# Altium PCB PCB_LU_V2.4PcbDoc.PcbDoc (part 2 of 3) (continued)
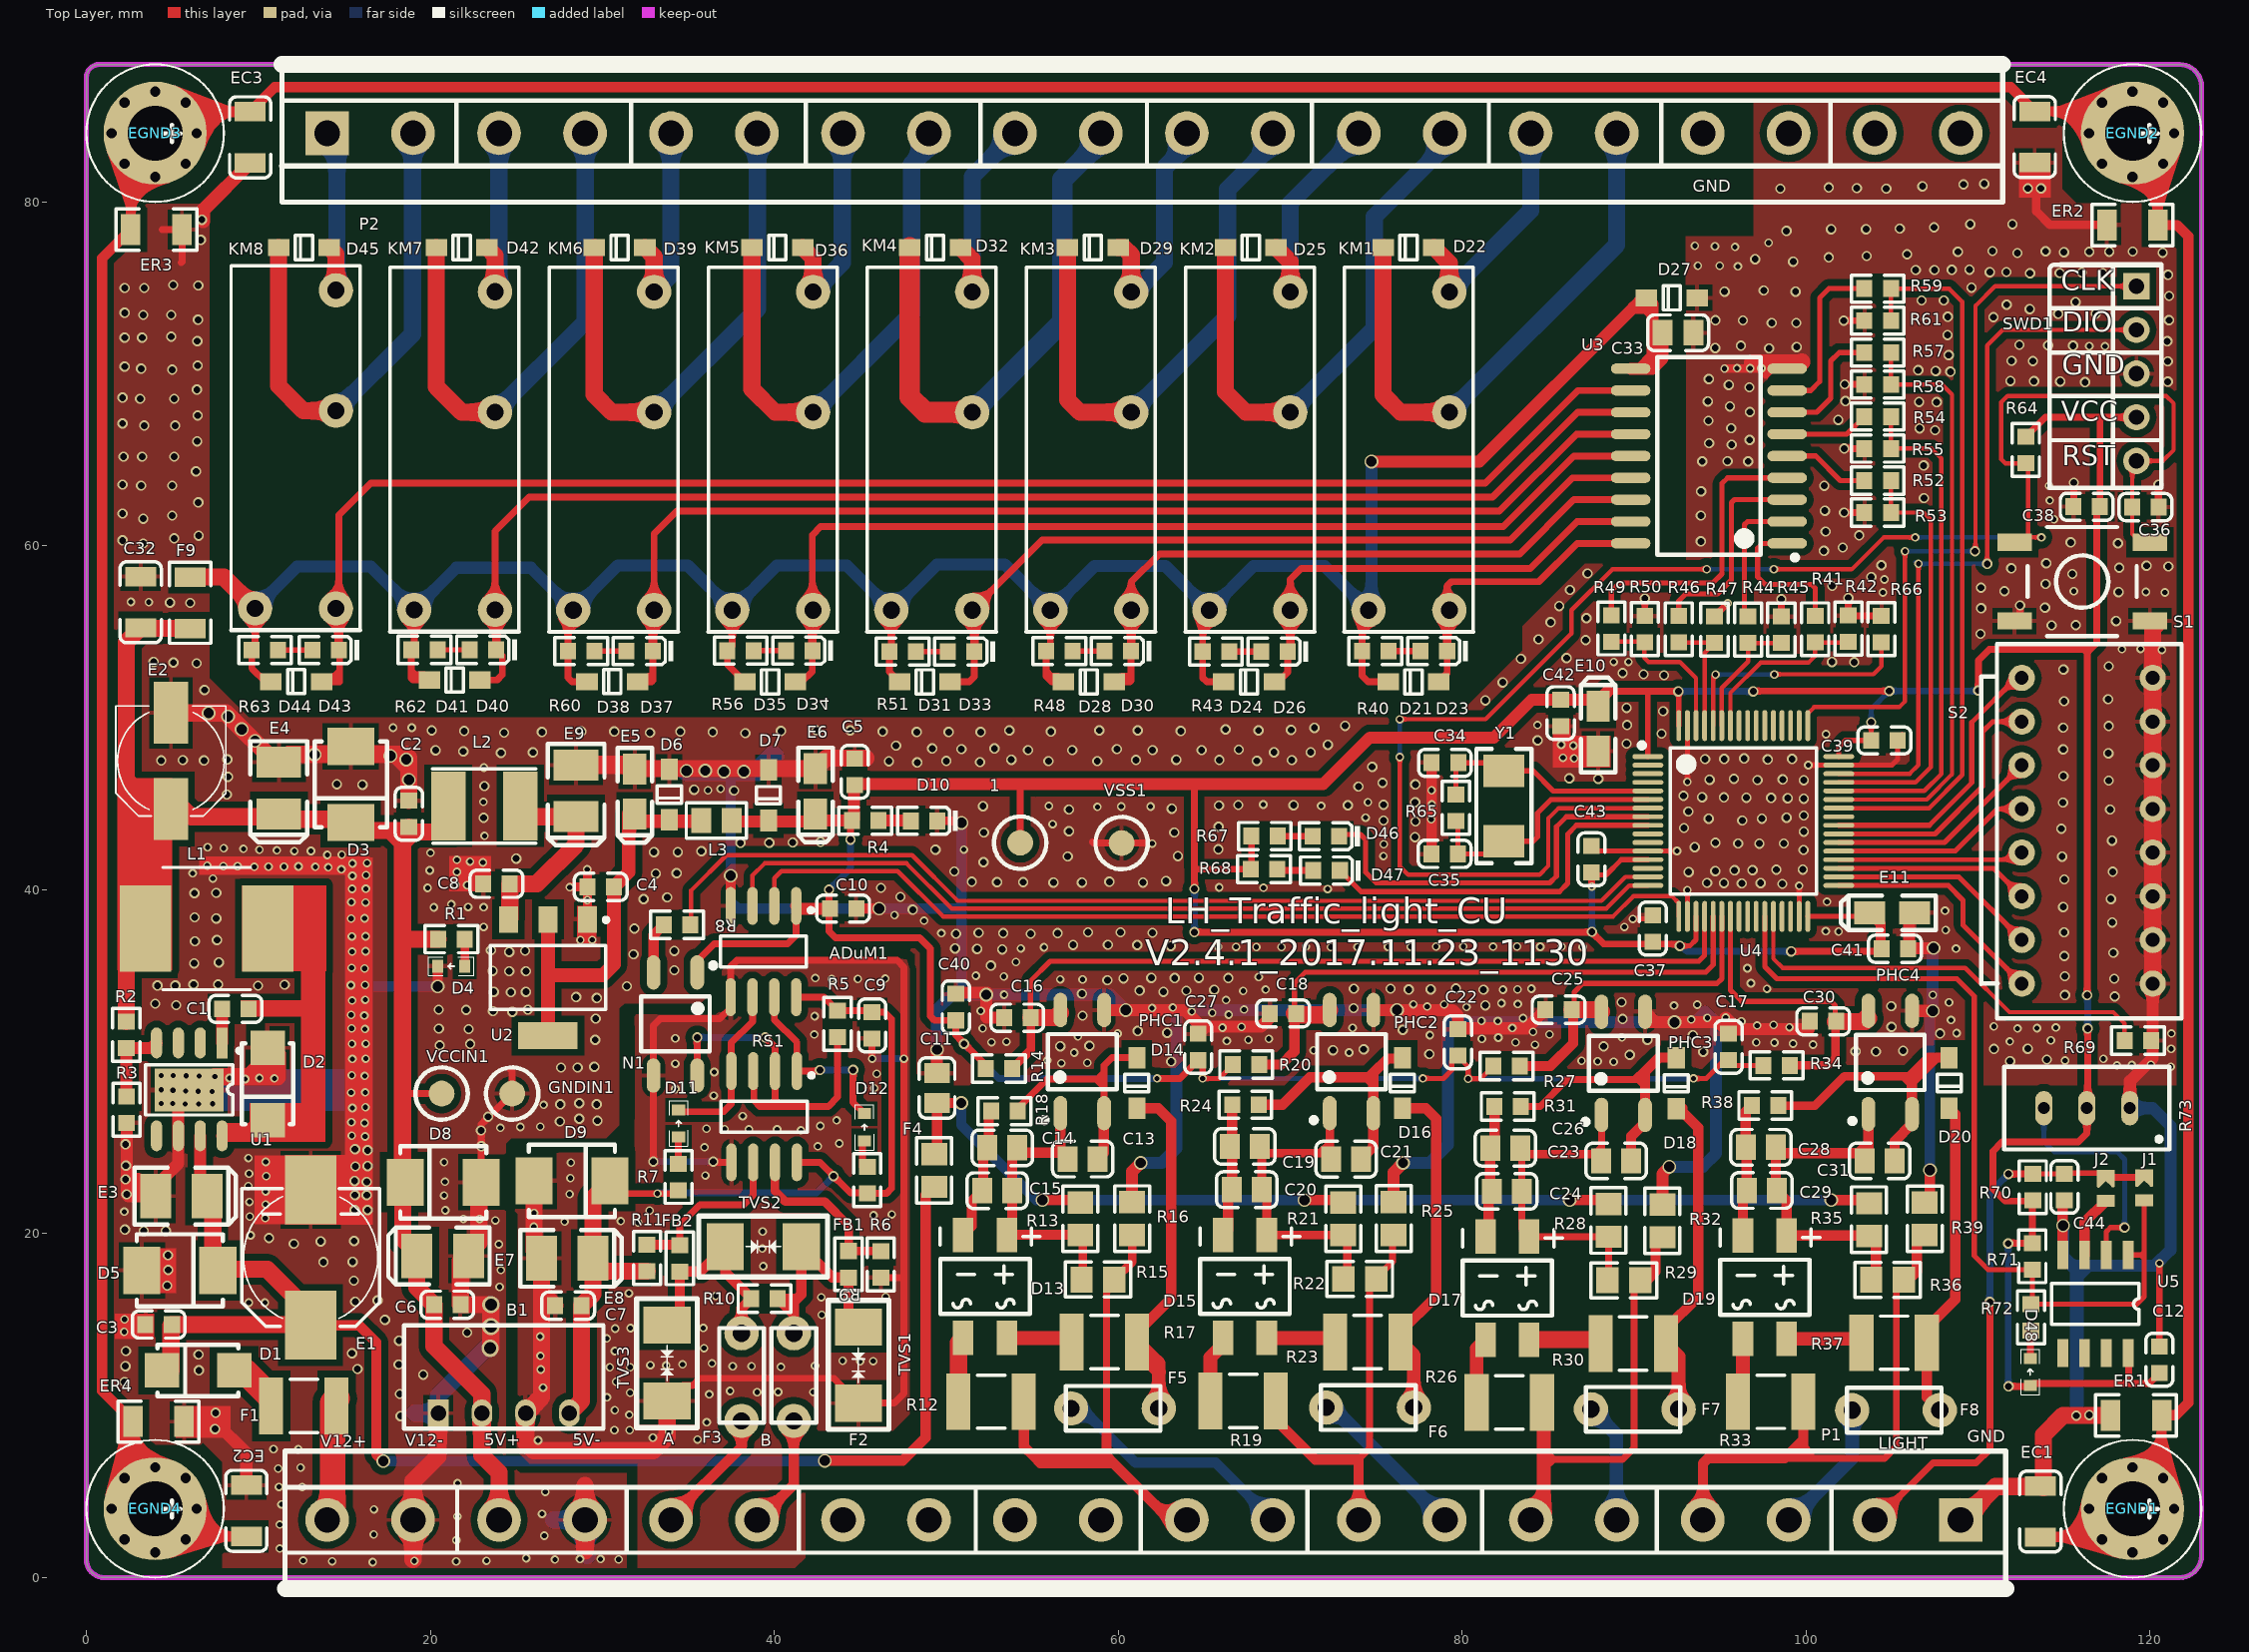
[diagram p0: Top Layer view]
## Nets (pads, with @x,y where several pads share a name; then routed paths per layer and width w, separated by ;. In a path a pad name is that pad's centre, name@x,y a point inside that pad or via, vN(x,y) a via of type N, cw(c..) or ccw(c..) an arc to the next point about the centre after c; other vN are vias at no path point) (continued)
KM1: R41.2 R42.1 U4.58 | length 10.4
  Top Layer w0.254: U4.58@95.61,49.548 95.61,51.452 97.364,53.206 100.144,53.206 100.54,53.602 R41.2@100.54,54.376 R42.1@102.436,54.376
KM1+: D22.2 KM1.2 P2.16 | length 33.1
  Top Layer w1: D22.2@75.415,77.348 75.415,68.779 76.426,67.768 KM1.2@79.264,67.768
  Bottom Layer w1: KM1.2@79.264,67.768 89,77.504 P2.16@89,84
KM1-: D22.1 KM1.3 P2.15 | length 14.1
  Top Layer w1: D22.1@78.365,77.348 79.264,76.449 KM1.3@79.264,74.768
  Bottom Layer w1: KM1.3@79.264,74.768 84,79.504 P2.15@84,84
KM2: R44.2 R45.1 U4.59 | length 7.4
  Top Layer w0.254: U4.59@95.11,49.548 95.11,51.74 96.638,53.268 R44.2@96.638,54.356 R45.1@98.57,54.356
KM2+: D25.2 KM2.2 P2.14 | length 32.4
  Top Layer w1: D25.2@66.238,77.348 66.238,68.96 67.43,67.768 KM2.2@70.014,67.768
  Bottom Layer w1: KM2.2@70.014,67.768 74.896,72.65 74.896,79.144 P2.14@79.376,83.624
KM2-: D25.1 KM2.3 P2.13 | length 13.9
  Top Layer w1: D25.1@69.188,77.348 70.014,76.522 KM2.3@70.014,74.768
  Bottom Layer w1: KM2.3@70.014,74.768 70.014,79.934 P2.13@74.142,84.062
KM3: R46.2 R47.1 U4.61 | length 7.1
  Top Layer w0.254: R46.2@92.606,54.376 94.666,54.376 R47.1@94.686,54.356 94.11,53.78 U4.61@94.11,49.548
KM3+: D29.2 KM3.2 P2.12 | length 32.8
  Top Layer w1: D29.2@57.061,77.348 57.061,68.489 57.782,67.768 KM3.2@60.764,67.768
  Bottom Layer w1: KM3.2@60.764,67.768 66.364,73.368 66.364,80.74 69.45,83.826 P2.12@69.45,84.062
KM3-: D29.1 KM3.3 P2.11 | length 13.9
  Top Layer w1: D29.1@60.011,77.348 60.336,77.348 60.764,76.92 KM3.3@60.764,74.768
  Bottom Layer w1: KM3.3@60.764,74.768 60.984,74.768 62.69,76.474 62.69,81.97 64.112,83.392 P2.11@64.112,84.062
KM4: R49.2 R50.1 U4.62 | length 9.1
  Top Layer w0.254: R49.2@88.686,54.43 90.6,54.43 90.6,53.496 90.85,53.246 92.672,53.246 93.61,52.308 U4.62@93.61,49.548
KM4+: D32.2 KM4.2 P2.10 | length 32.1
  Top Layer w1.2: D32.2@47.884,77.348 47.884,68.67 48.786,67.768 KM4.2@51.514,67.768
  Bottom Layer w1.2: KM4.2@51.514,67.768 56.766,73.02 56.766,81.296 58.996,83.526 P2.10@58.996,84.062
KM4-: D32.1 KM4.3 P2.9 | length 13.2
  Top Layer w1: D32.1@50.834,77.348 51.514,76.668 KM4.3@51.514,74.768
  Bottom Layer w1: KM4.3@51.514,74.768 51.514,81.468 P2.9@54.108,84.062
KM5: R52.2 R53.1 U4.45 | length 24.5
  Top Layer w0.254: U4.45@101.91,46.248 106.376,46.248 107.264,47.136 107.264,61.524 106.85,61.938 R53.1@104.944,61.938 R52.2@104.944,63.798
KM5+: D36.2 KM5.2 P2.8 | length 31.4
  Top Layer w1: D36.2@38.706,77.348 38.706,69.12 40.058,67.768 KM5.2@42.264,67.768
  Bottom Layer w1: KM5.2@42.264,67.768 47.998,73.502 47.998,82.21 48.882,83.094 P2.8@48.882,84.062
KM5-: D36.1 KM5.3 P2.7 | length 12.9
  Top Layer w1: D36.1@41.656,77.348 42.264,76.74 KM5.3@42.264,74.768
  Bottom Layer w1: KM5.3@42.264,74.768 43.96,76.464 43.96,83.888 P2.7@44.134,84.062
KM6: R54.2 R55.1 U4.44 | length 29.8
  Top Layer w0.254: U4.44@101.91,45.748 106.888,45.748 107.882,46.742 107.882,65.082 107.305,65.659 R55.1@104.944,65.659 R54.2@104.944,67.519
KM6+: D39.2 KM6.2 P2.6 | length 31.3
  Top Layer w1: D39.2@29.529,77.348 29.529,68.795 30.556,67.768 KM6.2@33.014,67.768
  Bottom Layer w1: KM6.2@33.014,67.768 39.02,73.774 39.02,83.814 P2.6@38.798,84.036
KM6-: D39.1 KM6.3 P2.5 | length 11.7
  Top Layer w1: D39.1@32.479,77.348 33.014,76.813 KM6.3@33.014,74.768
  Bottom Layer w1: KM6.3@33.014,74.768 33.992,75.746 P2.5@33.992,83.24
KM7: R57.2 R58.1 U4.43 | length 34.9
  Top Layer w0.254: U4.43@101.91,45.248 107.03,45.248 108.502,46.72 108.502,68.8 107.923,69.379 R58.1@104.944,69.379 R57.2@104.944,71.239
KM7+: D42.2 KM7.2 P2.4 | length 30.5
  Top Layer w1: D42.2@20.352,77.348 20.352,69.244 21.82,67.776 KM7.2@23.764,67.776
  Bottom Layer w1: KM7.2@23.764,67.776 29.008,73.02 P2.4@29.008,84
KM7-: D42.1 KM7.3 P2.3 | length 11
  Top Layer w1: D42.1@23.302,77.348 23.764,76.886 KM7.3@23.764,74.776
  Bottom Layer w1: KM7.3@23.992,74.616 P2.3@23.992,82.852
KM8: R59.2 R61.1 U4.42 | length 41.8
  Top Layer w0.254: U4.42@101.91,44.748 107.172,44.748 109.1,46.676 109.1,74.19 108.33,74.96 R59.2@104.944,74.96 R61.1@104.944,73.1
KM8+: D45.2 KM8.2 P2.2 | length 30
  Top Layer w1: D45.2@11.175,77.348 11.175,69.305 12.618,67.862 KM8.2@14.514,67.862
  Bottom Layer w1: KM8.2@14.514,67.862 18.968,72.316 P2.2@18.968,84
KM8-: D45.1 KM8.3 P2.1 | length 12.1
  Top Layer w1: D45.1@14.125,77.348 14.514,76.959 KM8.3@14.514,74.862
  Bottom Layer w1: P2.1@14,84 14.564,83.436 14.564,75.042 KM8.3@14.744,74.862
LD1: D46.K U4.8 | length 23.7
  Top Layer w0.3: D46.K@72.678,43.218 74.108,43.218 74.396,42.93 74.396,41.018 75.021,40.393 85.097,40.393 85.496,40.792 85.496,43.666 86.078,44.248 U4.8@90.81,44.248
LD2: D47.K U4.9 | length 21.7
  Top Layer w0.3: D47.K@72.898,41.118 74.123,39.893 85.667,39.893 86.144,40.37 86.144,43.234 86.658,43.748 U4.9@90.81,43.748
LIGHT_TEST: J1.2 R71.2 R72.2 U4.27 U5.1 | length 50.3
  Top Layer w0.3: U4.27@97.61,38.448 97.61,35.518 98.31,34.818 108.776,34.818 109.786,33.808 109.786,18.722 110.596,17.912 R71.2@113.166,17.912 113.166,15.944 113.202,15.908 119.25,15.908 119.676,16.334 119.676,18.556 ; U5.1@118.744,18.756 119.502,18.756 ; J1.2@119.801,21.817 J1.2@119.676,21.942 119.676,18.93 ; 119.502,18.756 119.676,18.93 ; 119.502,18.756 119.502,18.73 119.676,18.556 ; 119.676,18.556 119.676,18.93
LIGHTT: C44.2 J1.1 J2.1 P1.2 R70.2 | length 33
  Top Layer w0.3: R70.2@113.161,23.502 R70.2@113.196,23.467 115.286,23.467 115.336,23.517 117.031,23.517 J2.1@117.266,23.282
  Top Layer w0.4: P1.2@104.042,3.308 107.4,6.666 109.898,6.666 110.696,7.464 v1(110.696,16.022) ; v1(111.777,23.467) R70.2@113.196,23.467 ; J2.1@117.266,23.282 119.526,23.282 J1.1@119.676,23.432
  Bottom Layer w0.4: v1(110.696,16.022) 110.696,22.386 v1(111.777,23.467)
NetADuM1_6: ADuM1.6 D11.K RS1.4 | length 10.1
  Top Layer w0.4: D11.K@34.441,27.189 34.538,27.092 37.054,27.092 37.509,27.547 RS1.4@37.509,29.456 ; RS1.4@37.426,29.373 RS1.4@37.509,29.456 ; ADuM1.6@38.739,33.752 38.739,32.335 37.509,31.105 RS1.4@37.509,29.456
NetADuM1_7: ADuM1.7 D12.K RS1.1 | length 11
  Top Layer w0.4: ADuM1.7@40.009,33.752 40.009,32.437 41.319,31.127 RS1.1@41.319,29.456 42.598,29.456 v1(42.656,29.514) ; v1(44.59,29.524) 44.59,27.64 D12.K@45.253,26.977
  Bottom Layer w0.4: v1(42.656,29.514) v1@44.59,29.514
NetC1_1: C1.1 D2.2 L1.1 U1.8 | length 4.5
  Top Layer w0.7: U1.8@7.89,25.691 9.787,25.691 D2.2@10.73,26.634 ; 9.528,26.064 10.072,26.608 D2.2@10.536,26.608
NetC1_2: C1.2 U1.1 | length 2
  Top Layer w0.7: U1.1@7.89,31.091 C1.2@7.89,33.07
NetC4_2: C4.2 D6.2 E5.1 L3.1 U2.2 U2.4 | length 27.8
  Top Layer w0.8: U2.2@26.842,38.269 U2.4@26.842,31.519 26.842,35.036 30.046,35.036 30.68,35.67 C4.2@30.68,40.168 31.536,41.024 31.536,43.406 ; E5.1@31.536,43.978 L3.1@35.767,43.978 ; E5.1@31.536,44.418 31.536,43.406 ; 31.588,43.458 31.536,43.406
NetC14_1: C14.1 C15.1 D13.4 R18.2 | length 7.9
  Top Layer w0.6: D13.4@50.992,19.932 51.492,20.432 51.492,21.897 C15.1@52.095,22.5 52.163,22.568 52.163,25.046 52.48,25.363 52.48,26.852 R18.2@52.75,27.122
NetC19_1: C19.1 C20.1 D15.4 R24.2 | length 7.8
  Top Layer w0.6: D15.4@66.108,19.932 66.4,20.224 66.4,22.357 C20.1@66.602,22.559 66.629,22.586 R24.2@66.629,27.499
NetC23_1: C23.1 C24.1 D17.4 R31.2 | length 7.9
  Top Layer w0.6: D17.4@81.367,19.832 81.554,20.019 81.554,22.289 C24.1@81.724,22.459 81.644,22.539 C23.1@81.644,24.974 81.892,25.222 R31.2@81.892,27.399
NetC28_1: C28.1 C29.1 D19.4 R38.2 | length 7.8
  Top Layer w0.6: D19.4@96.341,19.882 96.341,22.289 C29.1@96.561,22.509 96.561,24.969 C28.1@96.506,25.024 96.506,27.084 R38.2@96.871,27.449
NetC34_2: C34.2 R65.2 U4.5 Y1.2 | length 13.6
  Top Layer w0.3: R65.2@79.648,45.539 79.648,47.254 C34.2@79.778,47.384 81.97,47.384 Y1.2@82.436,46.918 84.142,46.918 85.312,45.748 U4.5@90.81,45.748
NetC35_2: C35.2 R65.1 U4.6 Y1.1 | length 15.1
  Top Layer w0.3: R65.1@79.648,43.999 79.758,43.889 C35.2@79.758,42.089 81.707,42.089 Y1.1@82.436,42.818 84.148,42.818 84.394,43.064 84.394,44.47 85.172,45.248 U4.6@90.81,45.248
NetD1_1: D1.1 F1.2 | length 2.2
  Top Layer w1.5: D1.1@9.112,12.016 9.178,12.016 F1.2@10.655,10.539
NetD4_A: D4.A R1.2 | length 1.6
  Top Layer w0.5: R1.2@22.006,37.124 22.007,37.123 D4.A@22.007,35.551
NetD10_A: D10.A R4.2 | length 1.9
  Top Layer w0.7: R4.2@46.062,44.018 D10.A@47.93,44.018
NetD11_A: D11.A R7.2 | length 1.6
  Top Layer w0.4: R7.2@34.432,24.068 34.432,25.606 D11.A@34.441,25.615
NetD12_A: D12.A R6.1 | length 1.5
  Top Layer w0.4: R6.1@45.126,23.884 D12.A@45.126,25.423
NetD13_1: D13.1 R12.2 | length 3.8
  Top Layer w1: R12.2@50.716,10.226 50.716,13.656 D13.1@50.992,13.932
NetD13_3: D13.3 R17.2 | length 3.9
  Top Layer w0.8: D13.3@53.532,13.932 57.078,13.932 R17.2@57.306,13.704
NetD15_1: D15.1 R19.2 | length 4
  Top Layer w0.8: R19.2@65.372,10.274 65.372,12.81 66.108,13.546 D15.1@66.108,13.932
NetD15_3: D15.3 R23.2 | length 3.7
  Top Layer w0.8: D15.3@68.648,13.932 R23.2@72.386,13.932
NetD17_1: D17.1 R26.2 | length 3.9
  Top Layer w0.8: R26.2@80.853,10.174 80.853,13.319 D17.1@81.367,13.832
NetD17_3: D17.3 R30.2 | length 4.3
  Top Layer w1: D17.3@83.907,13.832 87.837,13.832 R30.2@88.065,13.604
NetD19_1: D19.1 R33.2 | length 3.8
  Top Layer w0.8: R33.2@96.051,10.224 96.341,10.514 D19.1@96.341,13.882
NetD19_3: D19.3 R37.2 | length 4.4
  Top Layer w0.8: D19.3@98.881,13.882 103.003,13.882 R37.2@103.231,13.654
NetD21_1: D21.1 D23.K KM1.4 U3.18 | length 17.7
  Top Layer w0.4: D21.1@78.653,52.094 79.138,52.579 D23.K@79.138,53.882 ; KM1.4@79.138,56.142 79.138,57.678 79.376,57.916 84.468,57.916 86.698,60.146 U3.18@89.812,60.146
  Top Layer w0.5: D23.K@79.138,53.882 79.138,56.142 KM1.4@79.264,56.268
NetD23_A: D23.A R40.2 | length 1.9
  Top Layer w0.4: R40.2@75.738,53.882 D23.A@77.598,53.882
NetD24_1: D24.1 D26.K KM2.4 U3.17 | length 27.7
  Top Layer w0.4: D24.1@69.089,52.094 69.304,52.094 69.856,52.646 D26.K@69.856,53.854 ; KM2.4@70.014,56.268 70.014,58.056 70.652,58.694 83.964,58.694 86.686,61.416 U3.17@89.812,61.416
  Top Layer w0.5: D26.K@69.856,53.854 70.014,54.012 KM2.4@70.014,56.268
NetD26_A: D26.A R43.2 | length 1.9
  Top Layer w0.4: R43.2@66.456,53.854 D26.A@68.316,53.854
NetD28_1: D28.1 D30.K KM3.4 U3.16 | length 38.8
  Top Layer w0.4: D28.1@59.775,52.094 D28.1@59.88,52.094 ; D30.K@60.746,53.88 60.746,52.378 ; KM3.4@60.764,56.268 60.764,57.894 62.406,59.536 83.36,59.536 86.51,62.686 U3.16@89.812,62.686 ; D28.1@59.88,52.094 60.208,52.422 60.702,52.422 60.746,52.378 ; D28.1@59.88,52.094 60.684,52.094 60.746,52.156 60.746,52.378
  Top Layer w0.5: D30.K@60.746,53.88 60.764,53.898 KM3.4@60.764,56.268
NetD30_A: D30.A R48.2 | length 1.9
  Top Layer w0.3: R48.2@57.346,53.88 D30.A@59.206,53.88
NetD31_1: D31.1 D33.K KM4.4 U3.15 | length 46.9
  Top Layer w0.4: D31.1@50.237,52.094 51.344,52.094 51.646,52.396 D33.K@51.646,53.854 ; KM4.4@51.514,56.268 55.586,60.34 82.82,60.34 86.436,63.956 U3.15@89.812,63.956
  Top Layer w0.5: KM4.4@51.514,56.268 51.646,56.136 D33.K@51.646,53.854
NetD33_A: D33.A R51.2 | length 1.9
  Top Layer w0.3: R51.2@48.246,53.854 D33.A@50.106,53.854
NetD34_A: D34.A R56.2 | length 1.9
  Top Layer w0.3: R56.2@38.82,53.906 D34.A@40.68,53.906
NetD34_K: D34.K D35.1 KM5.4 U3.14 | length 58.7
  Top Layer w0.4: D35.1@41.237,52.094 41.606,52.094 42.22,52.708 D34.K@42.22,53.906 ; KM5.4@42.22,56.224 42.22,60.644 42.702,61.126 82.41,61.126 86.51,65.226 U3.14@89.812,65.226
  Top Layer w0.5: D34.K@42.22,53.906 42.22,56.224 KM5.4@42.264,56.268
NetD37_A: D37.A R60.2 | length 1.9
  Top Layer w0.3: R60.2@29.54,53.88 D37.A@31.4,53.88
NetD37_K: D37.K D38.1 KM6.4 U3.13 | length 69.1
  Top Layer w0.4: D38.1@32.061,52.104 D38.1@32.402,52.104 ; 32.706,52.408 D38.1@32.402,52.104 ; D37.K@32.94,53.88 32.94,52.172 32.872,52.104 D38.1@32.402,52.104 ; KM6.4@32.94,56.194 KM6.4@33.014,56.268 33.014,60.7 34.334,62.02 82.182,62.02 86.658,66.496 U3.13@89.812,66.496
  Top Layer w0.5: D37.K@32.94,53.88 KM6.4@32.94,56.194
NetD40_A: D40.A R62.2 | length 1.9
  Top Layer w0.3: R62.2@20.442,53.956 D40.A@22.302,53.956
NetD40_K: D40.K D41.1 KM7.4 U3.12 | length 78.9
  Top Layer w0.4: D41.1@22.891,52.198 23.894,52.198 24.19,52.494 24.19,53.608 D40.K@23.842,53.956 ; KM7.4@23.764,56.276 23.764,60.85 25.742,62.828 81.78,62.828 86.718,67.766 U3.12@89.812,67.766
  Top Layer w0.5: KM7.4@23.764,56.276 23.842,56.198 D40.K@23.842,53.956
NetD43_A: D43.A R63.2 | length 2
  Top Layer w0.3: R63.2@11.158,53.938 D43.A@13.138,53.938
NetD43_K: D43.K D44.1 KM8.4 U3.11 | length 89.9
  Top Layer w0.4: D44.1@13.683,52.104 14.456,52.104 ; 14.466,52.464 14.434,52.432 14.434,52.428 ; D43.K@14.678,53.938 14.73,53.886 14.73,52.724 ; KM8.4@14.678,56.198 14.678,61.78 16.544,63.646 81.366,63.646 86.756,69.036 U3.11@89.812,69.036 ; 14.73,52.728 14.73,52.724 ; 14.434,52.428 14.456,52.406 14.456,52.104 ; 14.434,52.428 14.73,52.724 ; 14.456,52.104 14.73,52.104 14.73,52.724
  Top Layer w0.5: KM8.4@14.514,56.362 14.678,56.198 D43.K@14.678,53.938
NetD46_A: D46.A R67.2 | length 2
  Top Layer w0.4: R67.2@69.308,43.112 D46.A@71.318,43.112
NetD47_A: D47.A R68.2 | length 2
  Top Layer w0.4: R68.2@69.33,41.118 D47.A@71.358,41.118
NetD48_K: D48.K R72.1 | length 1.6
  Top Layer w0.4: D48.K@113.047,12.739 R72.1@113.047,14.317
NetF2_1: F2.1 FB1.1 R10.2 TVS1.1 TVS2.2 | length 14.3
  Top Layer w0.6: F2.1@41.14,14.207 41.14,15.292 ; TVS1.1@44.895,14.562 44.325,15.132 FB1.1@44.325,17.452 43.37,17.452 TVS2.2@41.58,19.242 41.58,16.456 41.346,16.222 ; 41.14,15.292 41.14,16.016 41.346,16.222 ; 41.14,15.292 R10.2@40.21,16.222 41.346,16.222
NetF3_1: F3.1 FB2.1 R10.1 TVS2.1 TVS3.2 | length 12.6
  Top Layer w0.6: TVS3.2@33.775,14.687 34.515,15.427 FB2.1@34.515,17.797 35.715,17.797 TVS2.1@37.16,19.242 37.16,17.732 R10.1@38.67,16.222 38.1,15.652 F3.1@38.1,14.207
NetFB1_2: FB1.2 R9.2 RS1.7 | length 10.1
  Top Layer w0.5: RS1.7@40.049,24.148 40.049,22.471 40.654,21.866 42.942,21.866 44.325,20.483 FB1.2@44.325,18.992 R9.2@46.18,18.992
NetFB2_2: FB2.2 R11.1 RS1.6 | length 10
  Top Layer w0.4: FB2.2@34.515,19.337 34.515,20.513 35.684,21.682 38.22,21.682 38.779,22.241 RS1.6@38.779,24.148
  Top Layer w0.6: R11.1@32.605,19.357 34.495,19.357 FB2.2@34.515,19.337
NetJ2_2: J2.2 U5.3 | length 3.7
  Top Layer w0.6: U5.3@116.204,18.756 116.204,20.665 J2.2@117.444,21.905
NetN1_2: N1.2 R8.2 | length 2.7
  Top Layer w0.6: N1.2@32.982,35.196 32.982,37.366 R8.2@33.345,37.729
NetN1_4: N1.4 R5.2 RS1.2 RS1.3 | length 21.9
  Top Layer w0.4: N1.4@35.522,29.196 v1(35.522,31.408) ; RS1.3@38.808,29.427 38.824,29.411 38.824,27.736 39.154,27.406 39.768,27.406 ; v1(39.478,31.408) 40.049,30.837 RS1.2@40.049,29.456 40.049,27.779 ; R5.2@43.682,31.426 43.682,27.94 43.148,27.406 40.422,27.406 ; 39.768,27.406 40.422,27.406 ; 39.768,27.406 39.768,27.498 40.049,27.779 ; 39.768,27.406 40.049,27.687 40.049,27.779 ; 40.049,27.779 40.422,27.406
  Bottom Layer w0.4: v1(35.522,31.408) v1(39.478,31.408)
NetR2_1: R2.1 R3.1 U1.4 | length 4.7
  Top Layer w0.7: R3.1@2.338,27.984 2.316,28.006 R2.1@2.316,30.79 3.779,30.79 U1.4@4.08,31.091
NetR41_1: R41.1 U3.1 | length 9.6
  Top Layer w0.3: U3.1@99.744,60.146 U3.1@98.912,60.146 97.476,60.146 97.194,59.864 97.194,58.194 97.634,57.754 100.33,57.754 100.54,57.544 R41.1@100.54,55.916
NetR44_1: R44.1 U3.2 | length 8
  Top Layer w0.3: R44.1@96.638,55.896 96.43,56.104 96.43,61.232 96.614,61.416 U3.2@98.912,61.416
NetR46_1: R46.1 U3.3 | length 12.3
  Top Layer w0.3: R46.1@92.606,55.916 92.606,56.8 93.018,57.212 94.864,57.212 95.668,58.016 95.668,62.516 95.838,62.686 U3.3@98.912,62.686
NetR49_1: R49.1 U3.4 | length 17.4
  Top Layer w0.3: R49.1@88.686,55.97 88.686,57.364 89.158,57.836 94.586,57.836 95.124,58.374 95.124,63.63 95.45,63.956 U3.4@98.912,63.956
NetR52_1: R52.1 U3.5 | length 5.1
  Top Layer w0.3: U3.5@98.912,65.226 100.568,65.226 101.996,63.798 R52.1@103.404,63.798
NetR54_1: R54.1 U3.6 | length 4.9
  Top Layer w0.3: U3.6@98.912,66.496 102.381,66.496 R54.1@103.404,67.519
NetR57_1: R57.1 U3.7 | length 7.2
  Top Layer w0.3: U3.7@98.912,67.766 100.638,67.766 101.452,68.58 101.452,70.756 101.935,71.239 R57.1@103.404,71.239
NetR59_1: R59.1 U3.8 | length 9.8
  Top Layer w0.3: U3.8@98.912,69.036 100.276,69.036 100.798,69.558 100.798,74.424 101.334,74.96 R59.1@103.404,74.96
NetR73_3: R73.3 U5.2 | length 13.5
  Top Layer w0.3: U5.2@117.474,18.756 117.474,20.112 117.716,20.354 v1(118.536,20.354)
  Bottom Layer w0.3: R73.3@113.838,27.296 113.838,25.368 114.462,24.744 118.118,24.744 118.536,24.326 v1(118.536,20.354)
NRST: C36.2 R64.1 S1.2 S1.3 SWD1.5 U4.7 | length 102.2
  Top Layer w0.254: v2(76.384,47.712) 76.384,41.356 76.87,40.87 84.502,40.87 85.019,41.387 85.019,44.147 85.62,44.748 U4.7@90.81,44.748 ; v2(76.384,49.916) 81.38,49.916 86.372,54.908 86.372,56.258 88.756,58.642 v2(94.23,58.642) ; v2(98.138,58.642) 102.642,58.642 102.66,58.624 104.528,60.492 v2(106.356,60.492) ; R64.1@112.79,64.8 111.604,64.8 111.362,65.042 111.362,68.35 111.728,68.716 120.954,68.716 121.384,68.286 121.384,65.57 120.754,64.94 SWD1.5@119.221,64.94 118.976,64.695 C36.2@118.976,62.256 118.976,60.688 119.456,60.208 S1.2@120.005,60.208 ; S1.3@112.93,60.01 S1.3@112.93,60.208 ; R64.1@112.93,64.94 S1.3@112.93,60.492 ; v2(113.692,60.492) S1.3@112.93,60.492 ; S1.3@112.93,60.208 S1.3@112.93,60.492 ; S1.3@112.93,60.208 S1.3@112.131,60.208 112.415,60.492 S1.3@112.93,60.492
  Bottom Layer w0.254: v2(76.384,47.712) v2(76.384,49.916) ; v2(94.23,58.642) v2(98.138,58.642) ; v2(106.356,60.492) v2(113.692,60.492)
PA1_RS485_2_RD: R8.1 U4.15 | length 60.2
  Top Layer w0.254: R8.1@35.172,37.958 35.172,39.96 37.222,42.01 48.018,42.01 50.672,39.356 88.108,39.356 89.5,40.748 U4.15@90.81,40.748
PA2_USART2_TX: ADuM1.3 U4.16 | length 55.8
  Top Layer w0.254: ADuM1.3@38.739,39.06 38.739,40.831 39.443,41.535 47.695,41.535 50.328,38.902 88.39,38.902 89.736,40.248 U4.16@90.81,40.248
PA3_USART2_RX: ADuM1.2 U4.17 | length 56.9
  Top Layer w0.254: ADuM1.2@40.009,39.06 40.009,40.679 40.411,41.081 47.185,41.081 49.818,38.448 88.79,38.448 89.962,39.62 92.208,39.62 92.61,39.218 U4.17@92.61,38.448
PB10_USART3_TX: U4.29
PB11_USART3_RX: U4.30
PC1_1: C13.1 C14.2 C15.2 D13.2 PHC1.1 R13.1 R15.1 | length 17.5
  Top Layer w0.5: R15.1@57.954,17.39 R13.1@57.954,19.77
  Top Layer w0.6: 56.648,25.092 PHC1.1@56.648,27.004 ; C13.1@57.069,24.336 56.697,24.708 54.251,24.708 53.913,25.046 53.845,24.978 C15.2@53.845,22.5 53.845,20.245 D13.2@53.532,19.932 57.792,19.932 R13.1@57.808,19.916 R13.1@57.954,19.77
PC1_2: C13.2 D14.1 PHC1.2 R18.1 | length 14.5
  Top Layer w0.4: R18.1@54.29,27.122 54.29,27.406 55.866,28.982 58.726,28.982 ; PHC1.2@59.188,27.004 59.188,28.52 ; D14.1@61.216,30.237 59.637,30.237 59.188,29.788 59.188,29.362 ; 58.726,28.982 59.188,28.52 ; 58.726,28.982 58.808,28.982 59.188,29.362 ; 59.188,28.52 59.188,29.362
  Top Layer w0.6: C13.2@58.819,24.336 59.178,24.695 PHC1.2@59.178,27.014
PC2_1: C19.2 C20.2 C21.1 D15.2 PHC2.1 R21.2 R22.1 | length 19.5
  Top Layer w0.5: PHC2.1@72.309,27.004 72.309,25.218 ; C21.1@72.385,24.33 72.309,24.406 72.309,25.218 ; R22.1@73.33,17.39 73.33,19.682 R21.2@73.096,19.916 68.664,19.916 D15.2@68.648,19.932 68.648,22.263 C20.2@68.352,22.559 68.352,24.969 C19.2@68.247,25.074 68.645,24.676 71.767,24.676 72.309,25.218
PC2_2: C21.2 D16.1 PHC2.2 R24.1 | length 15.4
  Top Layer w0.6: R24.1@68.169,27.499 69.561,27.499 71.157,29.095 74.483,29.095 ; C21.2@74.135,24.33 74.849,25.044 PHC2.2@74.849,27.004 74.849,28.729 ; D16.1@76.602,30.182 75.68,30.182 74.849,29.351 ; 74.483,29.095 74.849,28.729 ; 74.483,29.095 74.593,29.095 74.849,29.351 ; 74.849,28.729 74.849,29.351
PC3_1: C23.2 C24.2 C26.1 D17.2 PHC3.1 R28.2 R29.1 | length 20.3
  Top Layer w0.4: C23.2@83.394,24.974 83.474,24.894 C24.2@83.474,22.459 83.474,20.265 D17.2@83.907,19.832 83.923,19.816 R28.2@88.525,19.816 88.525,17.612 R29.1@88.847,17.29 ; C26.1@87.7,24.632 88.112,25.044 ; C26.1@88.112,24.251 88.112,25.044 ; PHC3.1@88.112,26.904 88.112,25.044
  Top Layer w0.5: C23.2@83.394,24.974 83.736,24.632 C26.1@87.7,24.632
PC3_2: C26.2 D18.1 PHC3.2 R31.1 | length 16.5
  Top Layer w0.41: R31.1@83.432,27.399 84.543,27.399 86.118,28.974 90.052,28.974 ; 90.652,28.566 90.244,28.974 90.052,28.974 ; 90.652,29.574 90.052,28.974
  Top Layer w0.6: C26.2@89.839,24.228 89.839,25.673 90.652,26.486 PHC3.2@90.652,26.904 90.652,28.566 90.652,29.45 91.439,30.237 D18.1@92.376,30.237
PC4_1: C28.2 C29.2 C31.1 D19.2 PHC4.1 R35.2 R36.1 | length 21.5
  Top Layer w0.6: C31.1@103.413,24.228 103.631,24.446 103.631,25.262 ; PHC4.1@103.631,26.954 103.631,25.262 ; R36.1@104.081,17.34 104.081,19.456 R35.2@103.671,19.866 103.655,19.882 D19.2@98.881,19.882 98.881,21.939 C29.2@98.311,22.509 98.256,22.564 C28.2@98.256,25.024 98.604,24.676 103.045,24.676 103.631,25.262
PC4_2: C31.2 D20.1 PHC4.2 R38.1 | length 18.8
  Top Layer w0.5: R38.1@98.411,27.449 100.537,27.449 102.25,29.162 105.654,29.162 ; 106.064,29.162 105.654,29.162 ; 106.171,28.645 105.654,29.162
  Top Layer w0.6: C31.2@105.163,24.228 105.163,25.381 106.171,26.389 PHC4.2@106.171,26.954 106.171,28.645 106.171,28.839 107.569,30.237 ; 106.064,29.162 107.139,30.237 107.569,30.237 ; D20.1@108.332,30.237 107.569,30.237
PUTIN_12V: C3.2 D1.2 D5.2 E1.1 E3.1 F4.1 U1.7 | length 84.7
  Top Layer w0.6: E1.1@13.044,14.675 15.859,14.675 16.86,13.674 16.86,7.174 v3(17.268,6.766) ; v3(42.942,6.794) 47.464,6.794 48.81,8.14 48.81,22.258 F4.1@49.39,22.838
  Top Layer w0.7: C3.2@4.912,14.652 C3.2@4.976,14.716 ; U1.7@6.62,25.691 6.62,22.59 E3.1@7.028,22.182
  Top Layer w1: D1.2@4.912,12.016 C3.2@4.912,14.652 ; C3.2@4.976,14.716 E1.1@13.044,14.716 ; E3.1@7.028,22.182 7.36,21.85 7.36,17.926 10.518,17.926 13.044,15.4 E1.1@13.044,14.716 ; E1.1@13.044,14.675 E1.1@13.044,14.716
  Bottom Layer w0.6: v3(17.268,6.766) 42.914,6.766 v3(42.942,6.794)
RS458_A: F3.2 P1.16 | length 7.4
  Top Layer w0.6: P1.16@33.927,3.423 38.1,7.597 F3.2@38.1,9.107
RS485_B: F2.2 P1.15 | length 6.7
  Top Layer w0.6: P1.15@39.042,3.308 41.14,5.406 F2.2@41.14,9.107
STM_SWC: SWD1.1 U4.49 | length 43.5
  Top Layer w0.254: U4.49@100.11,49.548 100.11,50.252 100.48,50.622 105.426,50.622 105.764,50.96 v2(105.764,59.688) ; v1@109.862,59.72 109.862,73.96 111.002,75.1 SWD1.1@119.221,75.1
  Bottom Layer w0.254: v2(105.764,59.688) v1(109.834,59.688)
STM_SWD: SWD1.2 U4.46 | length 42.5
  Top Layer w0.254: U4.46@101.91,46.748 106.038,46.748 106.55,47.26 v2(106.55,58.964) ; v1(110.542,58.956) 110.542,71.654 111.448,72.56 SWD1.2@119.221,72.56
  Bottom Layer w0.254: v2@106.376,59.066 106.486,58.956 v1(110.542,58.956)
SW_DI1: C16.1 PHC1.4 R14.1 U4.20 | length 50
  Top Layer w0.3: C16.1@54.904,32.556 54.904,34.696 56.048,35.84 93.772,35.84 94.11,36.178 U4.20@94.11,38.448
  Top Layer w0.5: R14.1@53.84,29.602 54.93,30.692 C16.1@54.93,32.556 ; PHC1.4@56.648,32.526 56.648,32.844 PHC1.4@56.648,33.004
  Top Layer w1: C16.1@54.93,32.556 56.36,32.556 PHC1.4@56.648,32.844
SW_DI2: C18.1 PHC2.4 R20.1 U4.21 | length 36.4
  Top Layer w0.3: C18.1@70.254,32.802 70.254,34.568 70.898,35.212 94.184,35.212 94.61,35.638 U4.21@94.61,38.448 ; PHC2.4@72.309,33.004 PHC2.4@72.309,33.128
  Top Layer w0.5: PHC2.4@72.309,33.128 PHC2.4@72.396,33.128
  Top Layer w0.6: R20.1@68.221,29.834 69.492,29.834 70.254,30.596 70.254,32.25 ; PHC2.4@72.309,32.409 PHC2.4@72.309,33.004
  Top Layer w1: C18.1@70.254,32.802 70.332,32.724 72.029,32.724 PHC2.4@72.309,33.004
SW_DI3: C25.1 PHC3.4 R27.1 U4.22 | length 21.9
  Top Layer w0.3: 86.53,32.204 86.53,34.046 87.03,34.546 94.834,34.546 95.11,34.822 U4.22@95.11,38.448
  Top Layer w0.6: R27.1@83.364,29.75 85.142,29.75 86.468,31.076 86.468,32.808 C25.1@86.682,33.022 ; PHC3.4@88.112,32.819 PHC3.4@88.112,32.904
  Top Layer w1: C25.1@86.394,33.022 87.994,33.022 PHC3.4@88.112,32.904
SW_DI4: C30.1 PHC4.4 R34.1 U4.23 | length 20
  Top Layer w0.3: U4.23@95.61,38.448 95.61,34.156 96.264,33.502 101.48,33.502 101.716,33.266 C30.1@101.716,32.33
  Top Layer w0.5: R34.1@99.066,29.784 101.302,29.784 101.716,30.198 C30.1@101.716,32.33
  Top Layer w0.6: 102.918,32.33 103.007,32.33 PHC4.4@103.631,32.954 PHC4.4@103.631,32.513
  Top Layer w1: C30.1@101.716,32.33 102.918,32.33 ; 103.007,32.33 103.448,32.33 PHC4.4@103.631,32.513
SW_DI5: U4.24
SW_DI6: U4.25
V_RELAY: C33.2 D21.2 D24.2 D27.2 D28.2 D31.2 D35.2 D38.2 D41.2 D44.2 F9.2 KM1.1 KM2.1 KM3.1 KM4.1 KM5.1 KM6.1 KM7.1 KM8.1 R40.1 R43.1 R48.1 R51.1 R56.1 R60.1 R62.1 R63.1 U3.10 | length 168.4
  Top Layer w0.4: KM8.1@9.814,56.362 9.814,54.134 R63.1@9.618,53.938 9.618,52.894 10.408,52.104 D44.2@10.733,52.104 ; 18.902,53.076 18.902,52.722 ; KM7.1@19.064,56.276 19.064,54.118 R62.1@18.902,53.956 18.902,52.722 ; KM6.1@28.314,56.268 28,55.954 R60.1@28,53.88 28,52.34 28.236,52.104 D38.2@29.111,52.104 ; KM5.1@37.564,56.268 37.564,54.19 R56.1@37.28,53.906 37.28,53.101 D35.2@38.287,52.094 ; KM4.1@46.814,56.268 46.814,53.962 R51.1@46.706,53.854 46.706,52.675 D31.2@47.287,52.094 ; KM3.1@56.064,56.268 56.064,54.138 R48.1@55.806,53.88 55.806,52.724 ; KM2.1@65.314,56.268 64.916,55.87 R43.1@64.916,53.854 64.916,52.338 65.16,52.094 D24.2@66.139,52.094 ; KM1.1@74.564,56.268 74.198,55.902 R40.1@74.198,53.882 74.198,52.44 74.544,52.094 D21.2@75.703,52.094 ; 18.902,52.722 19.104,52.52 19.619,52.52 D41.2@19.941,52.198 19.014,52.198 18.902,52.31 18.902,52.722 ; 55.806,52.422 56.134,52.094 D28.2@56.436,52.094 ; 55.806,52.422 56.108,52.422 ; 55.806,52.422 55.806,52.724 ; 55.806,52.724 56.108,52.422 ; 56.108,52.422 56.497,52.422 D28.2@56.825,52.094 D28.2@56.436,52.094 ; 56.108,52.422 D28.2@56.436,52.094
  Top Layer w0.7: v3(74.736,64.902) 81.01,64.902 89.958,73.85 ; U3.10@89.812,70.306 U3.10@90.372,70.306 ; 89.958,73.85 90.865,73.85 ; 89.958,73.85 90.53,74.422 D27.2@90.731,74.422 D27.2@91.084,74.069 ; U3.10@90.372,70.306 91.08,70.306 91.084,70.31 ; U3.10@90.372,70.306 91.084,71.018 ; 90.865,73.85 D27.2@91.084,74.069 ; 90.865,73.85 90.865,73.685 91.084,73.466 ; 91.084,70.31 91.084,71.018 ; 91.084,70.31 91.676,70.902 C33.2@91.676,72.396 91.084,72.396 ; 91.084,71.018 91.084,72.396 ; 91.084,72.396 91.084,73.466 ; 91.084,73.466 D27.2@91.084,74.069
  Top Layer w1: F9.2@6.032,58.184 7.992,58.184 KM8.1@9.814,56.362
  Bottom Layer w0.7: KM8.1@9.814,56.362 12.258,58.806 16.534,58.806 KM7.1@19.064,56.276 21.516,58.728 25.854,58.728 KM6.1@28.314,56.268 30.906,58.86 34.972,58.86 KM5.1@37.564,56.268 40.156,58.86 44.222,58.86 KM4.1@46.814,56.268 49.466,58.92 53.412,58.92 KM3.1@56.064,56.268 58.628,58.832 62.75,58.832 KM2.1@65.314,56.268 67.878,58.832 72,58.832 KM1.1@74.564,56.268 74.804,56.508 74.65,56.662 74.736,56.748 v3(74.736,64.902)
VCC5V: C8.2 E9.1 L2.2 U2.3 | length 11.2
  Top Layer w1: U2.3@24.542,38.269 24.622,38.349 C8.2@24.622,40.346 26.2,40.346 28.48,42.626 E9.1@28.48,44.248 L2.2@25.777,44.248
VCCIN5V: B1.2 C2.2 C6.1 C32.2 D3.2 D8.2 E2.1 E4.1 E7.1 F9.1 L1.2 L2.1 P1.18 R1.1 R2.2 VCCIN1.1 | length 95.3
  Top Layer w0.4: 18.52,28.146 VCCIN1.1@20.66,28.146
  Top Layer w1: R2.2@2.316,32.33 2.316,38.16 3.126,38.97 3.126,43.996 ; F9.1@5.566,55.204 3.126,55.204 2.318,54.396 2.318,46.386 3.126,45.578 ; D8.2@18.392,22.912 18.392,42.726 ; C2.2@18.392,43.292 18.392,42.726 ; D8.2@18.402,23.092 18.402,19.676 19.212,18.866 19.212,16.868 C6.1@20.216,15.864 20.216,13.458 23.002,10.672 B1.2@23.002,9.56 23.002,7.11 24,6.112 P1.18@24,3.35 ; 18.466,37.124 R1.1@20.466,37.124 ; L2.1@21.394,43.366 C2.2@19.038,43.366 ; 3.126,43.996 3.824,44.694 ; 3.126,43.996 3.126,45.578 ; 3.126,45.578 3.824,44.88 3.824,44.694 ; 3.824,44.694 5.66,44.694 6.106,44.248 11.15,44.248 11.298,44.1 14.848,44.1 15.5,43.448 17.67,43.448 ; 17.67,43.448 18.548,43.448 C2.2@18.752,43.652 C2.2@19.038,43.366 ; 17.67,43.448 18.392,42.726 ; 18.392,42.726 19.032,43.366 C2.2@19.038,43.366
VCCIN12V: F1.1 P1.20 | length 7.3
  Top Layer w1.5: P1.20@14,3.35 14.324,3.674 14.324,10.162 F1.1@14.572,10.41